# Altium PCB Copy of foxbms2-master.PcbDoc (part 8 of 11)
Units mm, origin at the board's own origin, x right, y up, seen from the top; angles counter-clockwise.
Board outline 200.11 x 130.05 mm, 8 copper layers (Top, Int1 (Sig), Int2 (Gnd), Int3 (Sig), Int4 (Sig), Int5 (Pwr), Int6 (Sig), Bottom), stack 1.636 mm thick; 806 components, 624 nets, 2842 pads, 2609 vias.
Unrouted connection lines stored in the file: 3.
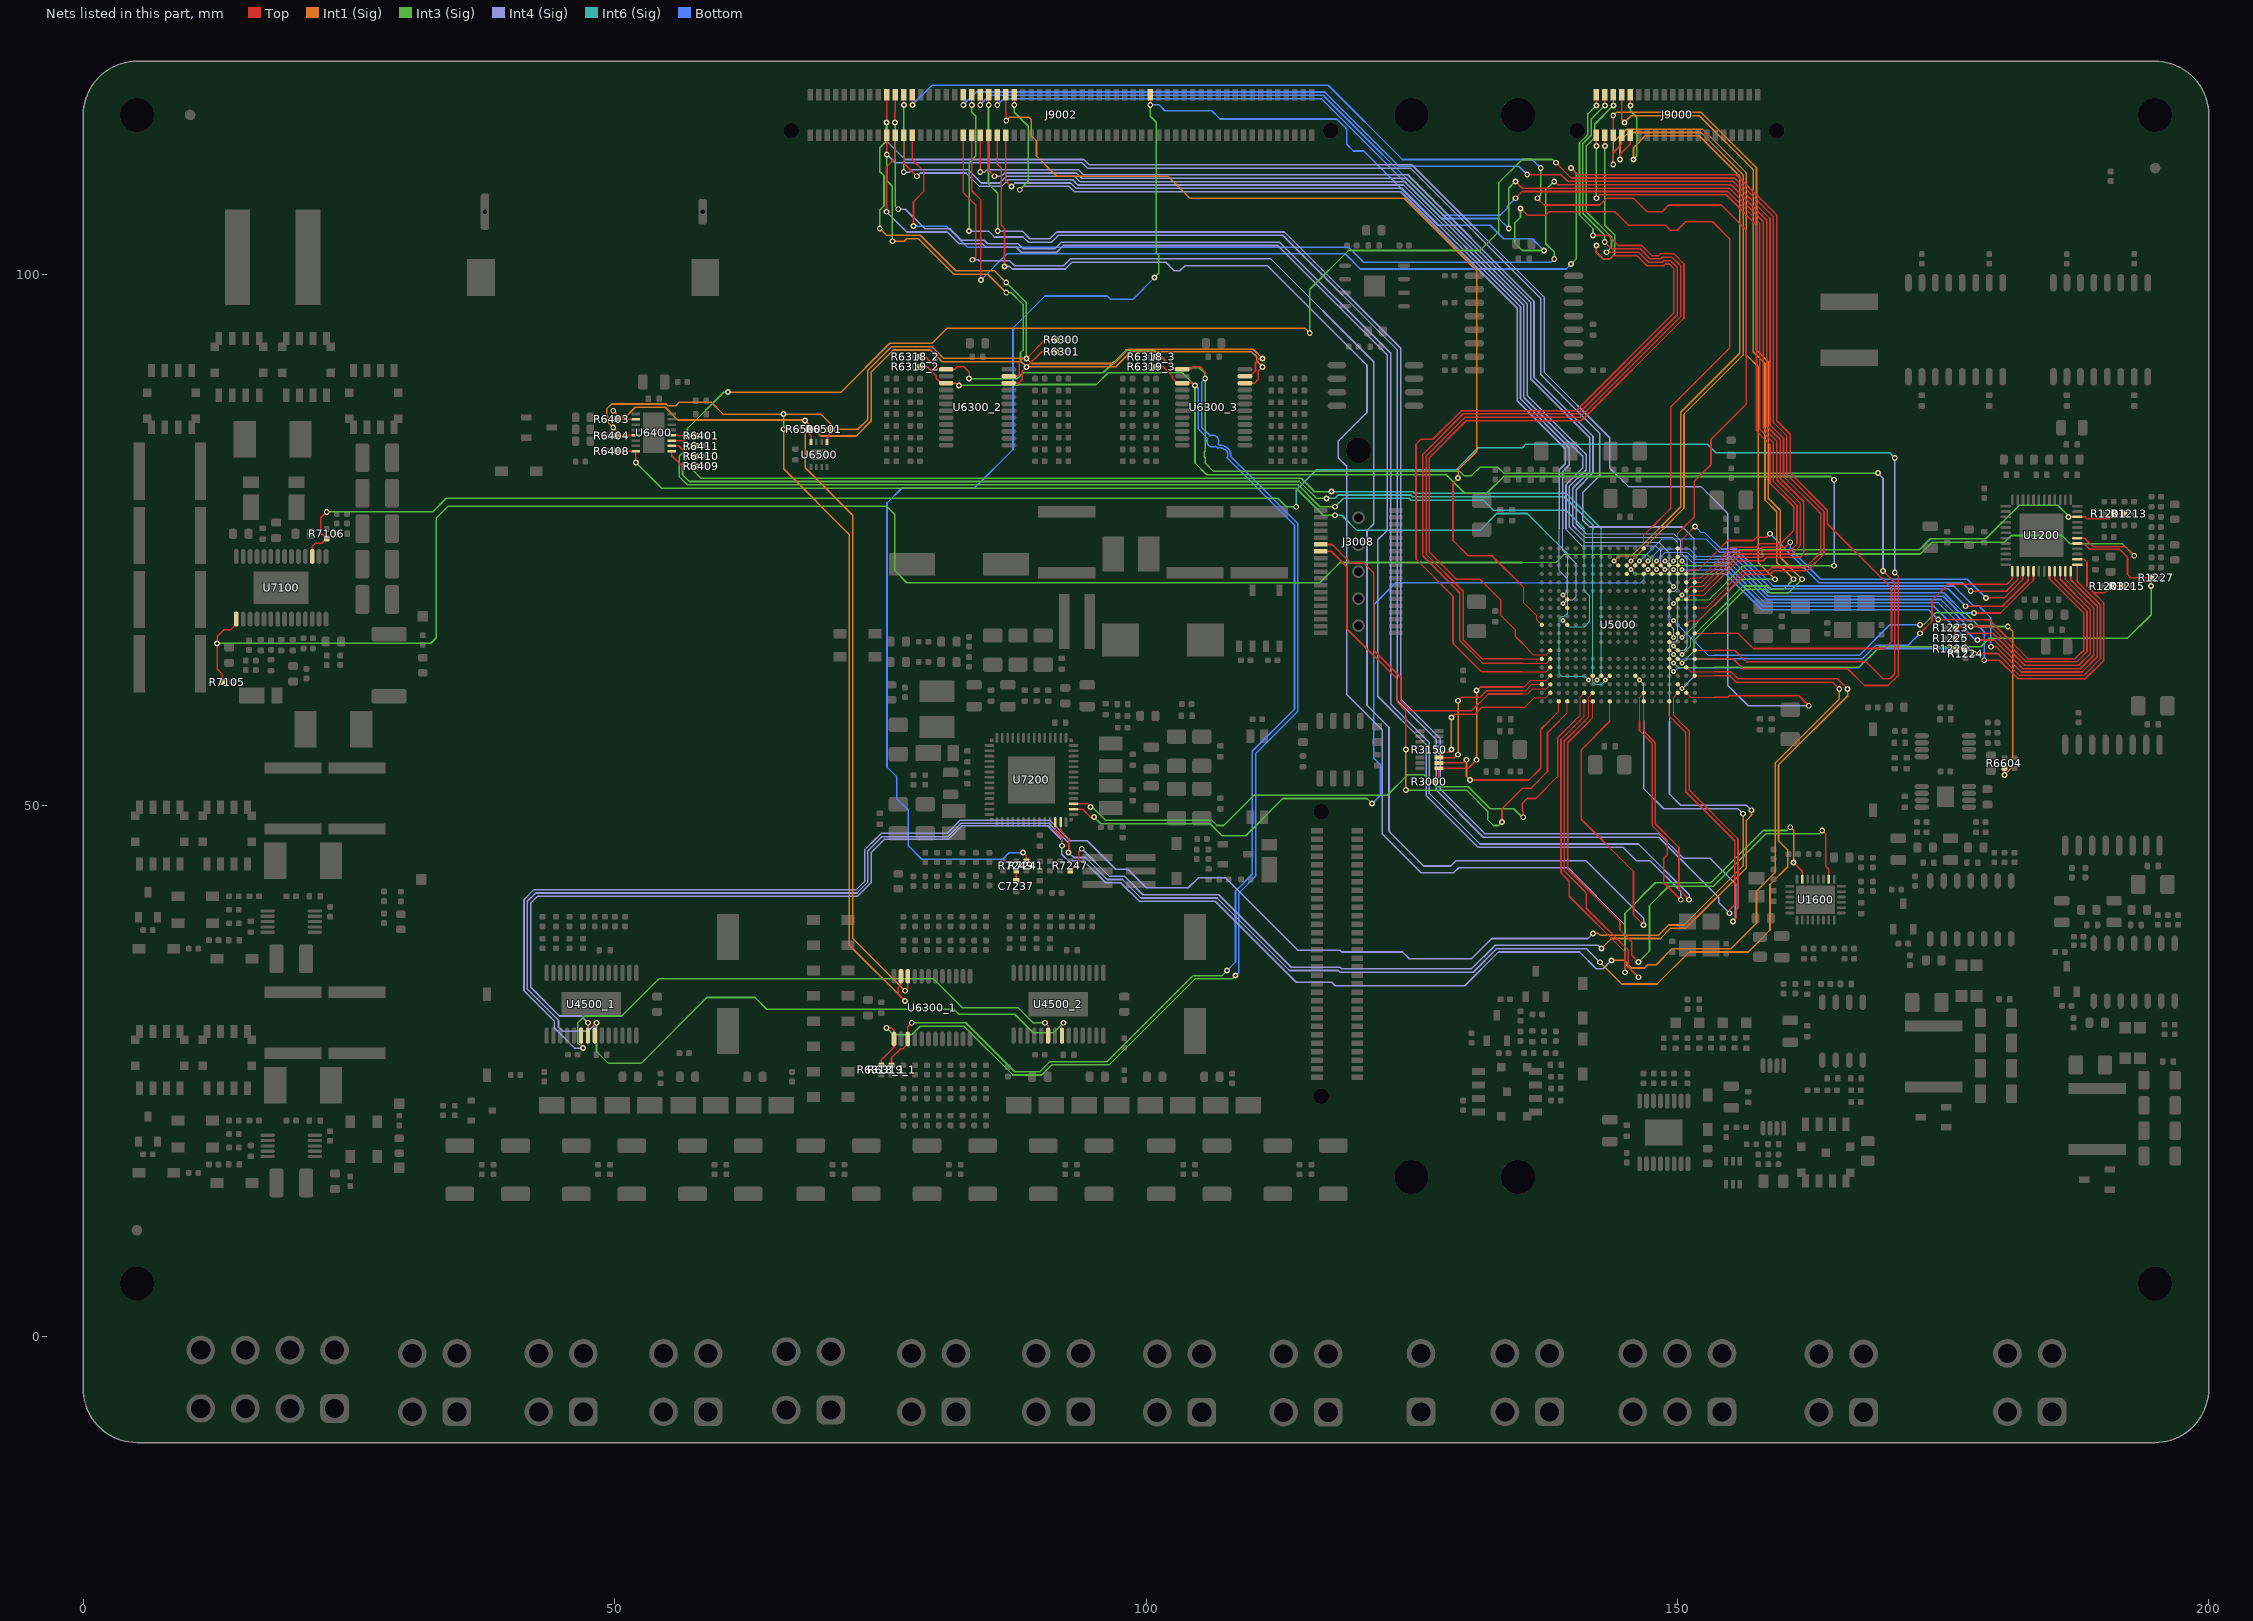
[diagram p14: the nets of this part, all layers, seen from the top]

## Via types
v1: diameter 0.55, hole 0.3, Top to Bottom, 1559 vias
v2: diameter 0.55, hole 0.3, Top to Bottom, tented both sides, 810 vias
v3: diameter 0.45, hole 0.2, Top to Bottom, tented both sides, 169 vias
v4: diameter 0.45, hole 0.2, Top to Bottom, 25 vias
v5: diameter 0.5, hole 0.2, Top to Bottom, 20 vias
v6: diameter 0.75, hole 0.5, Top to Bottom, tented both sides, 17 vias
v7: diameter 0.75, hole 0.5, Top to Bottom, 9 vias

## Nets (pads, with @x,y where several pads share a name; then routed paths per layer and width w, separated by ;. In a path a pad name is that pad's centre, name@x,y a point inside that pad or via, vN(x,y) a via of type N, cw(c..) or ccw(c..) an arc to the next point about the centre after c; other vN are vias at no path point) (continued)
MCU_GIOA.7_1: J9002.37 U5000.M1 | length 129.8
  Top w0.102: U5000.M1@151.663,68.592 152.73,68.592 153.511,69.374
  Top w0.152: v1(82.8,115.947) J9002.37@82.8,116.9 ; v1(135.89,109.379) 139.065,109.379 139.7,108.744 141.682,108.744 155.257,108.744 158.75,105.251 158.75,85.829 160.02,84.559 160.02,80.962 163.512,77.47 163.512,73.819 162.084,72.39 158.909,72.39 158.591,72.072 156.21,72.072 153.511,69.374
  Bottom w0.152: v1(82.8,115.947) 84.01,117.157 116.84,117.157 123.825,110.172 135.096,110.172 v1(135.89,109.379)
MCU_GIOB.1_1: R6401.1 U5000.K2 U6400.12 | length 173
  Top w0.102: U5000.K2@150.862,66.992 151.251,67.381 151.995,67.381 153.511,68.897
  Top w0.152: U6400.12@55.348,84.84 55.944,84.84 56,84.784 56.821,84.784 v2(56.832,84.772) R6401.1@57.653,84.772 ; v1(138.589,110.49) 140.017,109.061 141.946,109.061 155.416,109.061 159.067,105.41 159.067,86.042 160.338,84.772 160.338,81.121 163.83,77.629 163.83,73.66 162.243,72.072 159.079,72.072 158.762,71.755 156.369,71.755 153.511,68.897
  Int3 (Sig) w0.152: v2(56.832,84.772) 56.832,85.482 60.25,88.9 v1(60.642,88.9) ; v1(115.411,94.456) 115.411,98.584 119.062,102.235 131.445,102.235 133.191,103.981 133.191,108.585 135.414,110.807 138.271,110.807 v1(138.589,110.49)
  Int1 (Sig) w0.152: v1(60.642,88.9) 71.279,88.9 75.882,93.504 79.851,93.504 81.28,94.932 114.935,94.932 v1(115.411,94.456)
MCU_GIOB.4_1: R6318_1.1 R6318_2.1 R6318_3.1 U5000.G1 U6300_1.1 U6300_2.1 U6300_3.1 | length 255.8
  Top w0.102: U5000.G1@151.663,64.592 153.511,64.592
  Top w0.152: R6318_1.1@75.089,25.532 75.089,26.035 76.276,27.223 U6300_1.1@76.276,28.006 76.276,28.808 76.033,29.051 v2(75.565,29.051) ; R6318_2.1@78.714,92.234 79.216,92.234 80.404,91.046 U6300_2.1@81.188,91.046 81.989,91.046 82.224,91.281 82.867,91.281 83.344,90.805 v2(83.344,90.17) ; R6318_3.1@100.939,92.234 101.441,92.234 102.629,91.046 U6300_3.1@103.413,91.046 104.214,91.046 104.449,91.281 105.093,91.281 105.569,90.805 v2(105.569,90.17) ; 153.511,64.592 155.435,64.592 156.528,63.5 167.799,63.5 169.386,61.912 170.021,61.912 170.498,62.389 170.498,70.961 v1(169.386,72.072)
  Int3 (Sig) w0.152: v2(75.565,29.051) 76.2,28.416 77.946,28.416 78.74,29.21 82.867,29.21 87.471,24.606 90.17,24.606 91.123,25.559 96.52,25.559 104.616,33.655 108.109,33.655 v1(108.426,33.972) ; v2(83.344,90.17) 87.886,90.17 88.441,90.724 95.963,90.724 98.108,92.869 100.806,92.869 102.088,91.587 102.474,91.201 105.014,91.201 105.569,90.646 v2(105.569,90.17) 105.569,83.334 105.491,83.256 105.491,82.797 105.569,82.718 105.569,82.233 106.362,81.439 129.53,81.439 129.926,81.043 130.643,81.043 131.434,81.834 133.113,81.834 133.667,81.28 v1(168.91,81.28)
  Int4 (Sig) w0.152: v1(168.91,81.28) 169.386,80.804 v1(169.386,72.072)
  Bottom w0.152: v2(105.569,90.17) 105.251,89.852 105.251,85.566 106.034,84.784 cw(c106.292,84.293) 106.783,84.035 106.9,83.917 cw(c106.883,83.109) 106.93,83.916 cw(c106.965,83.109) 107.378,83.804 cw(c107.156,83.026) 107.949,82.868 114.3,76.517 114.3,58.854 110.331,54.885 110.331,43.339 108.744,41.751 108.744,34.29 v1(108.426,33.972)
MCU_GIOB.7_1: R7106.1 U5000.F1 U7100.17 | length 199.2
  Top w0.102: U5000.F1@151.663,63.792 153.511,63.792
  Top w0.152: U7100.17@21.499,73.435 21.499,74.363 21.798,74.662 22.407,74.662 R7106.1@22.86,75.115 22.306,75.669 22.306,77.074 v2(22.86,77.629) ; 153.511,63.792 155.283,63.792 156.21,62.865 166.052,62.865 167.64,61.277 169.862,61.277 170.815,62.23 170.815,71.596 v1(170.498,71.914)
  Int3 (Sig) w0.152: v2(22.86,77.629) 32.861,77.629 34.131,78.899 112.395,78.899 113.189,78.105 v1(114.141,78.105)
  Int4 (Sig) w0.152: v1(170.498,71.914) v1(170.498,82.709)
  Int6 (Sig) w0.152: v1(114.141,78.105) 114.141,79.692 116.046,81.597 129.222,81.597 131.286,83.661 135.414,83.661 135.731,83.979 152.876,83.979 153.67,83.185 170.021,83.185 v1(170.498,82.709)
MCU_GIOX.A4_1: J9002.39 U5000.A4 | length 157.1
  Top w0.102: U5000.A4@149.263,59.792 149.263,58.409 149.728,57.944
  Top w0.152: v1(83.6,115.947) J9002.39@83.6,116.9 ; 149.728,57.944 150.812,56.859 150.812,51.276 155.416,46.672 155.416,40.64 154.94,40.164 v1(154.94,39.846)
  Int3 (Sig) w0.152: v1(83.344,104.062) 83.344,110.49 83.979,111.125 83.979,114.866 83.6,115.245 v1(83.6,115.947)
  Int4 (Sig) w0.152: v1(83.344,104.062) 85.168,104.062 85.725,103.505 88.424,103.505 88.9,103.029 91.123,103.029 91.758,103.664 112.871,103.664 123.666,92.869 123.666,67.921 123.666,61.465 123.666,59.849 127.317,56.197 127.317,51.435 131.762,46.99 148.263,46.99 153.906,41.347 153.906,40.881 v1(154.94,39.846)
MCU_GIOX.A11_1: J9002.38 U5000.A11 | length 153
  Top w0.102: 143.663,57.944 U5000.A11@143.663,59.792
  Top w0.152: J9002.38@82.8,113.1 82.8,107.7 83.979,106.521 83.979,101.6 83.742,101.363 v1(83.661,101.363) ; 143.663,57.944 143.663,57.909 140.97,55.217 140.97,48.695 145.891,43.773 145.891,39.688 v1(146.844,38.735)
  Int4 (Sig) w0.152: v1(83.661,101.363) 84.216,101.363 84.296,101.282 87.154,101.282 87.63,100.806 92.234,100.806 92.869,101.441 111.76,101.441 121.444,91.758 121.444,76.517 120.809,75.882 120.809,59.427 122.872,57.363 122.872,47.571 126.152,44.291 128.692,44.291 129.168,44.767 141.446,44.767 146.844,39.37 v1(146.844,38.735)
MCU_GIOX.A14_1: J9002.46 U5000.A14 | length 158.7
  Top w0.102: 140.811,57.944 141.263,58.395 U5000.A14@141.263,59.792
  Top w0.152: J9002.46@86,113.1 86,110.374 86.36,110.014 86.36,104.616 86.677,104.299 v1(86.677,100.728) ; 140.811,57.944 139.065,56.197 139.065,43.656 139.859,42.862 139.859,41.434 145.097,36.195 v1(145.097,34.29)
  Int4 (Sig) w0.152: v1(86.677,100.728) 87.154,100.728 87.393,100.489 92.392,100.489 93.027,101.124 101.849,101.124 102.64,100.332 102.709,100.332 102.711,100.33 103.188,100.33 103.664,100.806 111.442,100.806 120.809,91.44 120.809,86.995 118.11,84.296 118.11,82.709 118.904,81.915 118.904,60.434 122.237,57.1 122.237,47.307 125.889,43.656 128.955,43.656 129.431,44.133 139.7,44.133 145.097,38.735 v1(145.097,34.29)
MCU_GIOX.B3_1: J9002.43 U5000.B3 | length 158.8
  Top w0.102: U5000.B3@150.063,60.593 149.662,60.192 149.662,58.468 150.186,57.944
  Top w0.152: v1(85.2,115.947) J9002.43@85.2,116.9 ; 150.186,57.944 151.13,57 151.13,51.435 155.734,46.831 155.734,40.322 155.575,40.164 155.575,39.37 v1(155.257,39.052)
  Int3 (Sig) w0.152: v1(85.2,115.947) 85.171,115.918 85.171,108.504 86.042,107.632 v1(86.042,104.062)
  Int4 (Sig) w0.152: v1(86.042,104.062) 88.343,104.062 89.059,103.346 90.964,103.346 91.599,103.981 113.03,103.981 123.984,93.028 123.984,60.008 127.716,56.276 127.716,51.523 131.931,47.307 148.304,47.307 150.605,45.007 153.103,45.007 155.494,42.616 155.494,39.348 155.257,39.111 v1(155.257,39.052)
MCU_GIOX.D11_1: R6410.1 U5000.D11 U6400.10 | length 109.4
  Top w0.102: v3(143.263,61.793) U5000.D11@143.663,62.192
  Top w0.152: U6400.10@55.348,83.84 56.019,83.84 v2(56.991,82.867) R6410.1@57.653,82.867
  Int3 (Sig) w0.152: v2(56.991,82.867) 56.356,82.233 56.356,81.121 56.991,80.486 114.459,80.486 116.046,78.899 v1(116.999,78.899)
  Int6 (Sig) w0.102: 142.081,76.041 142.081,61.64 142.306,61.415 142.885,61.415 v3(143.263,61.793)
  Int6 (Sig) w0.152: v1(116.999,78.899) 117.792,78.899 118.11,79.216 124.936,79.216 125.095,79.057 139.382,79.057 142.081,76.359 142.081,76.041
MCU_GIOX.D12_1: R6409.1 U5000.D12 U6400.9 | length 106.4
  Top w0.102: v3(142.463,61.793) U5000.D12@142.863,62.192
  Top w0.152: U6400.9@55.348,83.34 55.348,82.924 56.356,81.915 v2(56.991,81.915) R6409.1@57.653,81.915
  Int3 (Sig) w0.152: v2(56.991,81.915) 58.102,80.804 114.617,80.804 115.887,79.534 v1(117.475,79.534)
  Int6 (Sig) w0.102: v3(142.463,61.793) 142.875,62.205 142.875,76.041
  Int6 (Sig) w0.152: v1(117.475,79.534) 125.149,79.534 125.308,79.375 139.541,79.375 142.875,76.041
MCU_GIOX.D13_1: R6408.1 U5000.D13 U6400.8 | length 110.8
  Top w0.102: v3(141.663,61.793) U5000.D13@142.062,62.192
  Top w0.152: R6408.1@50.139,83.344 51.462,83.344 51.466,83.34 U6400.8@51.968,83.34 v2(51.968,82.282)
  Int3 (Sig) w0.152: v2(51.968,82.282) 54.398,79.851 114.141,79.851 116.681,77.311 v1(117.792,77.311)
  Int6 (Sig) w0.102: 137.319,76.041 139.685,73.675 139.685,68.104 139.64,68.059 139.64,68.036 139.396,67.792 139.129,67.792 138.885,67.549 138.885,62.41 139.125,62.17 141.285,62.17 v3(141.663,61.793)
  Int6 (Sig) w0.152: v1(117.792,77.311) 118.427,77.311 119.856,75.882 131.445,75.882 133.032,77.47 135.89,77.47 137.319,76.041
MCU_GIOX.H4_1: J9002.42 U5000.H4 | length 107.7
  Top w0.102: U5000.H4@149.263,65.392 v3(149.662,64.992)
  Top w0.152: v1(84.393,109.618) 84.4,109.626 J9002.42@84.4,113.1
  Int4 (Sig) w0.102: 140.97,76.041 141.446,75.565 149.701,75.565 150.336,74.93 150.336,73.786 150.971,73.151 150.971,64.929 150.654,64.611 150.044,64.611 v3(149.662,64.992)
  Int4 (Sig) w0.152: v1(84.393,109.618) 84.808,109.618 85.045,109.855 93.624,109.855 94.119,109.359 124.629,109.359 136.525,97.463 136.525,90.302 142.081,84.745 142.081,81.307 140.494,79.72 140.494,76.517 140.97,76.041
MCU_GIOX.J1_1: J9002.40 U5000.J1 | length 166
  Top w0.102: U5000.J1@151.663,66.192 153.511,66.192
  Top w0.152: J9002.40@83.6,113.1 83.6,107.853 84.455,106.998 v1(84.455,99.458) ; v1(140.017,110.014) 140.652,109.379 142.406,109.379 155.575,109.379 159.385,105.569 159.385,86.201 160.655,84.931 160.655,81.28 164.147,77.787 164.147,76.517 170.18,70.485 170.18,65.405 169.545,64.77 157.162,64.77 155.74,66.192 153.511,66.192
  Int3 (Sig) w0.152: v1(140.017,100.965) 140.494,101.441 140.494,109.537 v1(140.017,110.014)
  Bottom w0.152: v1(84.455,99.458) 86.914,101.917 118.745,101.917 120.174,100.489 139.541,100.489 v1(140.017,100.965)
MCU_GIOX.J4_1: J9002.44 U5000.J4 | length 104.4
  Top w0.102: U5000.J4@149.263,66.192 v4(149.662,65.792)
  Top w0.152: J9002.44@85.2,113.1 85.2,109.745 v1(85.725,109.22)
  Int4 (Sig) w0.102: 140.494,76.041 141.287,75.248 149.542,75.248 150.04,74.75 150.04,70.436 149.774,70.17 149.506,70.17 149.24,69.904 149.24,66.978 149.662,66.555 v4(149.662,65.792)
  Int4 (Sig) w0.152: v1(85.725,109.22) 86.394,109.22 86.712,109.537 93.446,109.537 93.941,109.042 124.497,109.042 136.207,97.332 136.207,90.17 141.764,84.614 141.764,81.439 140.176,79.851 140.176,76.359 140.494,76.041
MCU_GIOX.K4_1: R6604.1 U5000.K4 | length 50.7
  Top w0.102: U5000.K4@149.263,66.992 v3(149.662,67.392)
  Top w0.152: v2(180.816,52.864) R6604.1@180.816,53.525
  Int3 (Sig) w0.152: v1(172.879,66.992) 172.92,67.034 173.245,67.034 174.337,68.126 177.133,68.126 178.425,66.834 v1(181.134,66.834)
  Int1 (Sig) w0.152: v2(180.816,52.864) 181.61,53.657 181.61,66.358 v1(181.134,66.834)
  Bottom w0.102: v3(149.662,67.392) 152.92,64.135 153.511,64.135
  Bottom w0.152: 153.511,64.135 167.164,64.135 170.021,66.992 v1(172.879,66.992)
MCU_GIOX.K16_1: R6411.1 U5000.K16 U6400.11 | length 106.1
  Top w0.102: v3(139.263,67.392) U5000.K16@139.663,66.992
  Top w0.152: U6400.11@55.348,84.34 56.471,84.34 v2(56.991,83.82) R6411.1@57.653,83.82
  Int3 (Sig) w0.152: v2(56.991,83.82) 56.039,82.867 56.039,80.962 56.832,80.169 114.3,80.169 116.364,78.105 v1(117.792,78.105)
  Int6 (Sig) w0.102: v3(139.263,67.392) 139.821,66.834 141.287,66.834 141.764,67.31 141.764,69.691 141.24,70.215 141.24,76.041
  Int6 (Sig) w0.152: v1(117.792,78.105) 118.586,78.899 124.777,78.899 124.936,78.74 131.762,78.74 132.715,77.787 139.541,77.787 141.24,76.089 141.24,76.041
MCU_GIOX.K19_1: J9002.47 U5000.K19 | length 93.6
  Top w0.102: 135.414,70.644 135.572,70.485 135.572,69.056 136.782,67.846 136.782,67.473 U5000.K19@137.263,66.992
  Top w0.152: J9002.47@86.8,116.9 86.8,115.23 86.836,115.194 v1(86.836,114.459) ; v1(129.381,80.804) 128.905,80.328 128.905,74.93 130.334,73.501 132.556,73.501 135.414,70.644
  Int1 (Sig) w0.152: v1(86.836,114.459) 87.154,114.776 88.985,114.776 89.2,114.561 89.2,113.048 89.694,112.554 89.694,111.125 91.599,109.22 102.076,109.22 104.14,107.156 124.301,107.156 131.127,100.33 131.127,83.344 129.381,81.597 v1(129.381,80.804)
MCU_GIOX.M4_1: R6319_1.1 R6319_2.1 R6319_3.1 U5000.M4 U6300_1.3 U6300_2.3 U6300_3.3 | length 229.7
  Top w0.102: U5000.M4@149.263,68.592 v3(149.662,68.992)
  Top w0.152: R6319_1.1@76.041,25.532 76.041,26.226 76.898,27.083 77.128,27.083 77.576,27.531 U6300_1.3@77.576,28.006 77.576,29.158 v2(77.946,29.527) ; R6319_2.1@78.714,91.281 79.407,91.281 80.264,90.424 80.264,90.195 80.713,89.746 U6300_2.3@81.188,89.746 82.18,89.746 v2(82.391,89.535) ; R6319_3.1@100.939,91.281 101.632,91.281 102.489,90.424 102.489,90.195 102.938,89.746 U6300_3.3@103.413,89.746 104.405,89.746 v2(104.616,89.535)
  Int3 (Sig) w0.102: v3(149.662,68.992) 150.044,69.374 153.035,69.374 153.511,69.85
  Int3 (Sig) w0.152: v2(77.946,29.527) 83.026,29.527 87.63,24.924 90.011,24.924 90.964,25.876 96.361,25.876 104.457,33.972 107.156,33.972 v1(107.632,34.449) ; v2(82.391,89.535) 87.935,89.535 88.016,89.616 95.331,89.616 96.439,90.724 103.427,90.724 v2(104.616,89.535) 104.616,82.233 105.727,81.121 128.27,81.121 130.016,79.375 132.08,79.375 133.667,80.962 164.465,80.962 v1(164.782,80.645) ; 153.511,69.85 156.21,72.549 v1(164.782,72.549)
  Int4 (Sig) w0.152: v1(164.782,72.549) v1(164.782,80.645)
  Bottom w0.152: v2(104.616,89.535) 104.934,89.218 104.934,85.407 105.798,84.544 ccw(c106.292,84.293) 106.543,83.798 106.707,83.635 cw(c106.883,83.109) 106.928,83.662 cw(c106.965,83.109) 107.276,83.568 cw(c107.156,83.026) 107.62,82.722 113.983,76.359 113.983,59.055 110.014,55.086 110.014,43.497 108.426,41.91 108.426,35.242 v1(107.632,34.449)
MCU_GIOX.M16_1: J9002.48 U5000.M16 | length 89.9
  Top w0.102: v3(139.263,68.992) U5000.M16@139.663,68.592
  Top w0.152: J9002.48@86.8,113.1 86.8,108.81 v1(87.342,108.267)
  Int4 (Sig) w0.102: 139.224,76.041 139.224,74.016 140.485,72.755 140.485,69.681 140.174,69.37 139.64,69.37 v3(139.263,68.992)
  Int4 (Sig) w0.152: v1(87.342,108.267) 87.66,108.585 92.912,108.585 93.407,108.089 124.103,108.089 135.255,96.937 135.255,88.265 139.859,83.661 139.859,82.074 139.224,81.439 139.224,76.041
MCU_GIOX.N16_1: J9002.49 U5000.N16 | length 91.7
  Top w0.102: v3(139.263,69.792) U5000.N16@139.663,69.393
  Top w0.152: v1(87.6,115.947) J9002.49@87.6,116.9
  Int3 (Sig) w0.152: v1(87.6,115.947) 87.6,115.245 88.9,113.945 88.9,108.744 v1(88.106,107.95)
  Int4 (Sig) w0.102: 138.906,76.041 138.906,73.184 138.885,73.163 138.885,72.084 139.64,71.329 139.64,70.17 v3(139.263,69.792)
  Int4 (Sig) w0.152: v1(88.106,107.95) 88.424,108.267 92.764,108.267 93.26,107.772 123.971,107.772 134.938,96.806 134.938,88.097 139.461,83.573 139.461,82.152 138.906,81.597 138.906,76.041
MCU_GIOX.P1_1: J9002.45 U5000.P1 | length 127.7
  Top w0.102: U5000.P1@151.663,70.192 152.425,70.192 153.511,71.279
  Top w0.152: v1(86,115.947) J9002.45@86,116.9 ; v1(134.779,108.744) 135.414,108.109 141.654,108.109 154.94,108.109 158.115,104.934 158.115,85.566 159.385,84.296 159.385,80.645 161.607,78.422 161.607,74.454 160.814,73.66 158.274,73.66 157.956,73.343 155.575,73.343 153.511,71.279
  Int3 (Sig) w0.152: v1(134.144,104.299) 134.144,108.109 v1(134.779,108.744)
  Bottom w0.152: v1(86,115.947) 86.575,116.522 116.522,116.522 127.794,105.251 133.191,105.251 v1(134.144,104.299)
MCU_GIOX.P2_1: J9002.41 U5000.P2 | length 125.5
  Top w0.102: U5000.P2@150.862,70.192 151.31,70.64 152.396,70.64 153.511,71.755
  Top w0.152: v1(84.4,115.947) J9002.41@84.4,116.9 ; v1(134.779,107.156) 135.414,107.791 141.287,107.791 154.781,107.791 157.797,104.775 157.797,85.407 159.067,84.138 159.067,80.486 161.29,78.264 161.29,74.612 160.655,73.977 158.115,73.977 157.797,73.66 155.416,73.66 153.511,71.755
  Bottom w0.152: v1(84.4,115.947) 85.292,116.84 116.681,116.84 127.953,105.569 133.35,105.569 134.026,106.245 134.026,106.404 v1(134.779,107.156)
MCU_GIOX.T6_1: R7105.1 U5000.T6 U7100.1 | length 163.4
  Top w0.102: U5000.T6@147.663,71.792 v3(148.063,72.192)
  Top w0.152: R7105.1@13.044,61.595 13.044,62.362 12.541,62.865 v1(12.541,65.246) 12.541,65.881 13.176,66.516 13.805,66.516 14.349,67.06 U7100.1@14.349,67.535
  Int3 (Sig) w0.102: 135.414,72.866 138.603,72.866 139.396,73.66 147.129,73.66 147.685,73.104 147.685,72.57 v3(148.063,72.192)
  Int3 (Sig) w0.152: v1(12.541,65.246) 32.662,65.246 33.179,65.763 33.179,77.044 34.291,78.156 75.562,78.156 76.359,77.359 76.359,72.073 77.47,70.961 116.364,70.961 118.269,72.866 135.414,72.866
MCU_GIOX.T7_1: U5000.T7 U7200.30 | length 78.2
  Top w0.102: U5000.T7@146.863,71.792 v3(147.262,72.192)
  Top w0.152: U7200.30@93.18,49.638 94.031,49.638 94.774,48.895 v2(95.091,48.895)
  Int3 (Sig) w0.152: v2(95.091,48.895) 95.726,48.26 106.045,48.26 107.156,47.149 109.379,47.149 112.871,50.641 120.809,50.641 v1(121.285,50.165)
  Bottom w0.102: 135.414,70.97 146.574,70.97 146.885,71.281 146.885,71.815 v3(147.262,72.192)
  Bottom w0.152: v1(121.285,50.165) 122.079,50.959 122.079,53.816 121.444,54.451 121.444,68.897 123.516,70.97 135.414,70.97
MCU_I2C1.SCL_1: J9002.20 R6301.1 R6403.1 R6500.1 U5000.C3 U6300_1.22 U6300_2.22 U6300_3.22 U6400.2 U6500.4 | length 292.9
  Top w0.102: U5000.C3@150.063,61.392 v3(150.463,60.992)
  Top w0.152: v2(49.847,87.154) 50.139,86.863 R6403.1@50.139,86.36 51.446,86.36 51.466,86.34 U6400.2@51.968,86.34 ; v2(67.907,86.239) 68.236,85.91 68.236,85.031 68.465,84.802 U6500.4@68.465,84.196 ; v1(75.593,111.284) 75.6,111.291 J9002.20@75.6,113.1 ; v2(77.311,32.544) 77.576,32.809 U6300_1.22@77.576,33.906 ; U6300_2.22@87.088,89.746 87.988,89.746 88.346,90.103 88.346,90.886 v2(88.741,91.281) 90.17,92.71 R6301.1@91.625,92.71 ; U6300_3.22@109.313,89.746 110.213,89.746 110.571,90.103 110.571,90.886 v2(110.966,91.281)
  Int3 (Sig) w0.152: v1(75.593,111.284) 75.593,108.8 76.119,108.273 v1(76.119,103.109) ; v1(86.836,98.266) 87.312,98.266 88.424,97.155 88.424,92.869 88.187,92.632 88.187,91.836 v2(88.741,91.281)
  Int1 (Sig) w0.152: v2(49.847,87.154) 50.482,86.519 50.959,86.519 51.911,87.471 54.727,87.471 55.916,86.282 67.864,86.282 v2(67.907,86.239) ; v1(76.119,103.109) 77.233,103.109 77.47,103.346 78.581,103.346 81.915,100.013 85.09,100.013 v1(86.836,98.266) ; v2(77.311,32.544) 72.39,37.465 72.39,77.311 67.907,81.794 v2(67.907,86.239) ; v2(110.966,91.281) 110.966,91.521 110.737,91.521 110.412,91.845 110.412,92.22 109.936,92.695 104.599,92.695 98.569,92.695 97.155,91.281 v2(88.741,91.281) 88.265,91.757 80.804,91.757 79.692,92.869 76.2,92.869 74.136,90.805 74.136,86.201 72.707,84.772 69.374,84.772 v2(67.907,86.239)
  Int4 (Sig) w0.102: v3(150.463,60.992) 151.606,62.136 151.606,75.089 150.654,76.041
  Int4 (Sig) w0.152: v1(75.593,111.284) 76.386,110.49 93.98,110.49 94.476,109.994 124.892,109.994 137.16,97.726 137.16,90.565 142.716,85.008 142.716,81.044 141.129,79.457 141.129,76.835 141.764,76.2 150.495,76.2 150.654,76.041
MCU_I2C1.SDA_1: J9002.19 R6300.1 R6404.1 R6501.1 U5000.B2 U6300_1.23 U6300_2.23 U6300_3.23 U6400.5 U6500.1 | length 322.8
  Top w0.102: U5000.B2@150.862,60.593 151.262,60.193 153.511,60.193
  Top w0.152: v1(49.847,85.566) 50.139,85.275 R6404.1@50.139,84.772 51.276,84.772 51.344,84.84 U6400.5@51.968,84.84 ; U6500.1@69.965,84.196 69.965,84.573 70.141,84.749 R6501.1@70.141,85.407 v2(70.802,85.407) ; v1(75.565,114.3) 75.6,114.335 J9002.19@75.6,116.9 ; U6300_1.23@76.926,33.906 76.926,33.105 76.676,32.855 76.676,32.226 v2(77.311,31.591) ; U6300_2.23@87.088,90.396 87.889,90.396 88.08,90.587 88.08,91.731 88.424,92.075 v2(88.741,92.075) 90.487,93.821 R6300.1@91.625,93.821 ; U6300_3.23@109.313,90.396 109.788,90.396 110.305,90.914 110.305,91.731 110.649,92.075 v2(110.966,92.075) ; 153.511,60.193 154.808,60.193 154.94,60.325 161.449,60.325 v1(162.401,59.372)